# Altium PCB PCB_Ruler_v2.0.PcbDoc (part 1 of 3)
Units mm, origin at the board's own origin, x right, y up, seen from the top; angles counter-clockwise.
Board outline 210.01 x 40 mm, 2 copper layers (Top Layer, Bottom Layer); 1 components, 0 nets, 962 pads, 0 vias.
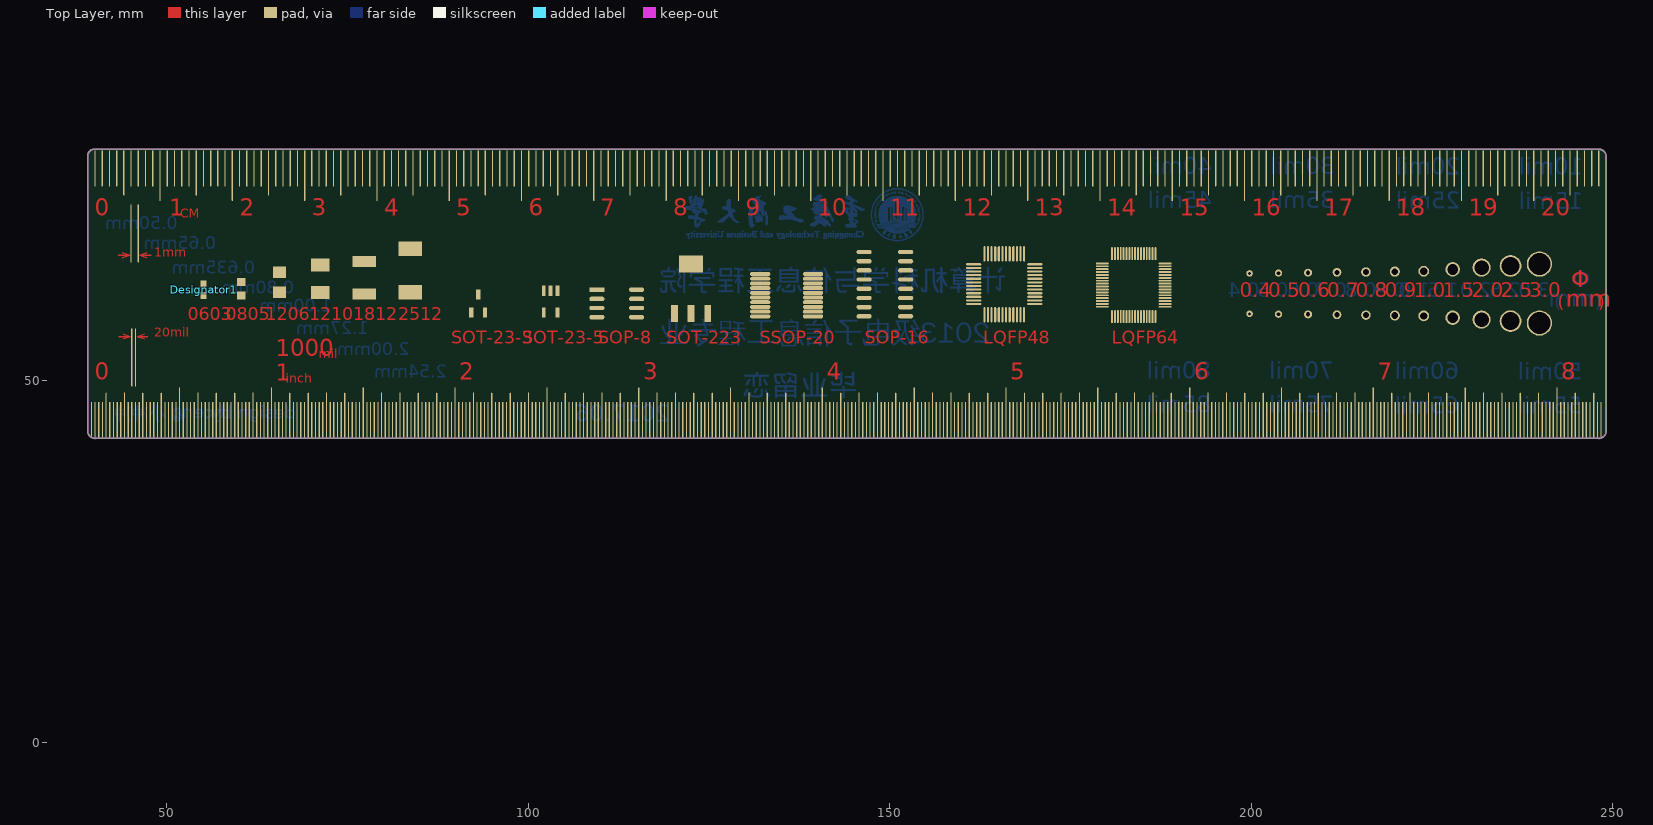
[diagram p0: Top Layer view]
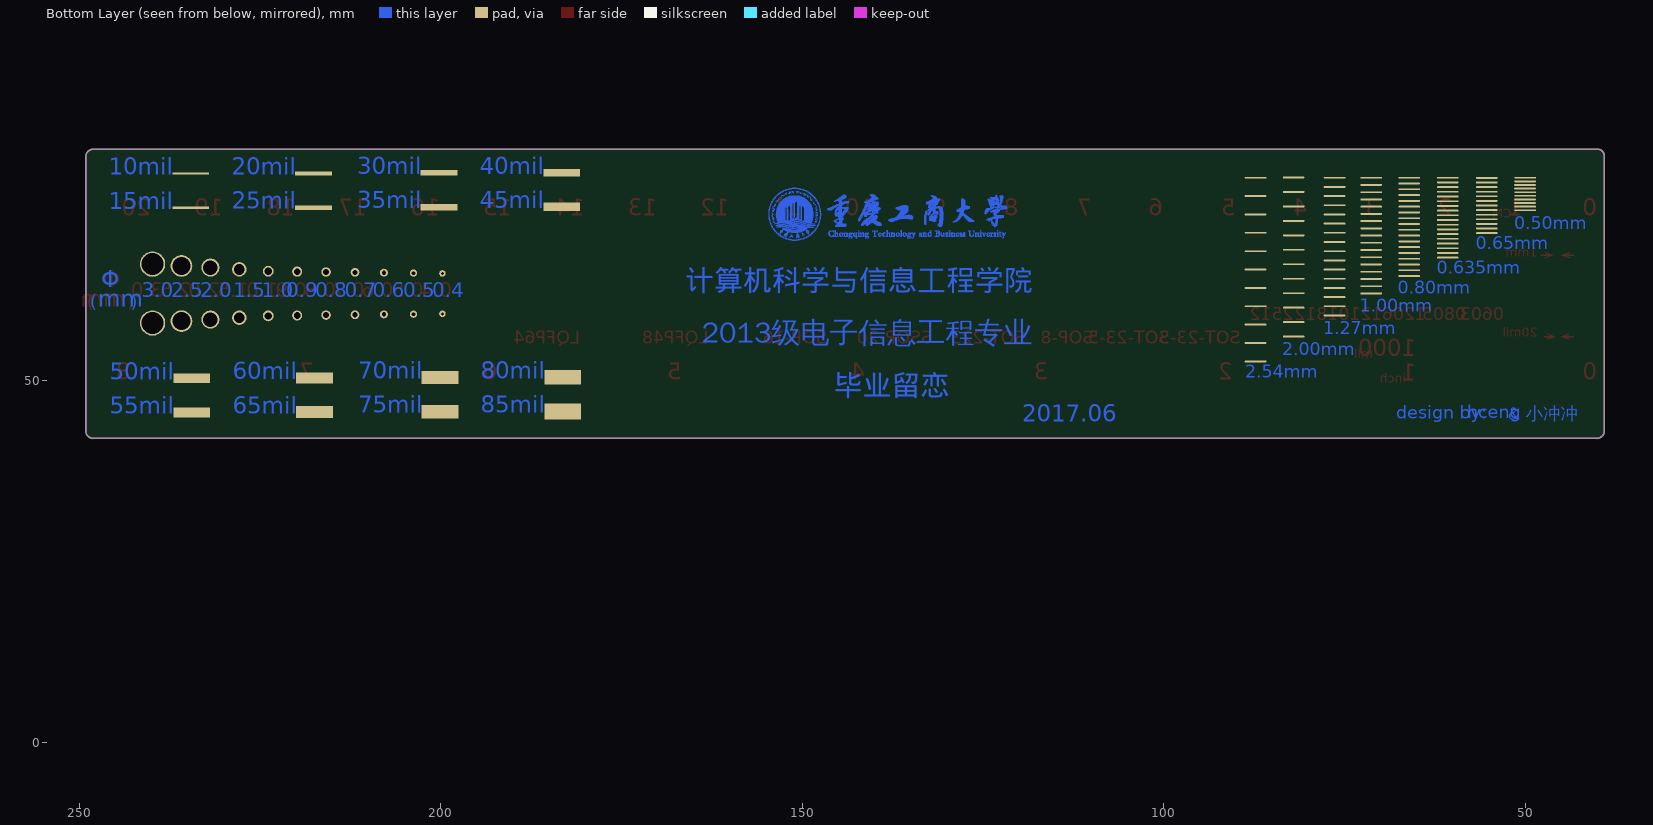
[diagram p1: Bottom Layer view, seen from below]

## Layer stack, top to bottom
Top Solder: solder mask 0.0102, Solder Resist, Dk 3.5
Top Layer: signal copper 0.0356
Dielectric 1: dielectric 0.32, FR-4, Dk 4.8
Bottom Layer: signal copper 0.0356
Bottom Solder: solder mask 0.0102, Solder Resist, Dk 3.5

## Board outline
40.095,42.049 cw(c40.095,43.049) 39.095,43.049 39.095,81.109 cw(c40.021,81.109) 40.021,82.035 40.021,82.042 248.063,82.042 cw(c248.063,80.996) 249.109,80.996 249.1,80.996 249.1,43.03 cw(c248.115,43.03) 248.115,42.045 248.115,42.055

## Design rules (kind name [scope] priority, off if disabled: settings)
Clearance [All] p1: gap=0.254 ignorepadtopadclearanceinfootprint=FALSE except(0: Arc-Hole Track-Hole SMDPad-Hole THPad-Hole Via-Hole Fill-Hole Poly-Hole Region-Hole Text-Hole)
PolygonConnect [All] p1: connectstyle=Relief reliefconductorwidth=0.254 reliefentries=4 polygonreliefangle="90 Angle" airgapwidth=0.254
RoutingVias [All] p1: holewidth=0.711 width=1.27 viastyle="Through Hole" minholewidth=0.711 minwidth=1.27 maxholewidth=0.711 maxwidth=1.27
SolderMaskExpansion [All] p1: expansion=0.102
Width [All] p1: maxlimit=0.254 minlimit=0.254 preferedwidth=0.254
30 further rules are at their usual default settings.

## Components (designator, comment, footprint, x,y, rotation, side; value= is the part's Value field where it differs from the comment)
Designator1 "Comment" 0603R 55.118,62.611 r90 top

## Footprints (in the part's own frame and the unit in brackets; to place one, negate y for a bottom-side part, rotate by r counter-clockwise, add the part's x,y. Pads: shape width x height; smd on the part's side, far side on the other; paste and mask are expansions set on the pad)
0603R [mm]
  rect 0.965x0.8 smd: 1(-0.8,0) 2(0.8,0)
  body extent -0.85,-0.4 0.85,0.4, height 0.56

## Free pads (board coordinates)
  oval 3x10 on Keep-Out: 1(42.048,61.616)
  oval 3x0.254 smd far side: 1(50.056,73.595) 1(55.35,70.445) 1(60.755,67.045) 1(66.089,64.495) 1(71.347,62.095) 1(76.407,59.045) 1(82.067,56.124) 1(87.329,52.695) 2(50.056,74.095) 2(55.35,71.08) 2(60.755,67.695) 2(66.089,65.295) 2(71.347,63.095) 2(76.407,60.315) 2(82.067,58.124) 2(87.329,55.235) 3(50.056,74.595) 3(55.35,71.715) 3(60.755,68.345) 3(66.089,66.095) 3(71.347,64.095) 3(76.407,61.585) 3(82.067,60.124) 3(87.329,57.775) 4(50.056,75.095) 4(55.35,72.35) 4(60.755,68.995) 4(66.089,66.895) 4(71.347,65.095) 4(76.407,62.855) 4(82.067,62.124) 4(87.329,60.315) 5(50.056,75.595) 5(55.35,72.985) 5(60.755,69.645) 5(66.089,67.695) 5(71.347,66.095) 5(76.407,64.125) 5(82.067,64.124) 5(87.329,62.855) 6(50.056,76.095) 6(55.35,73.62) 6(60.755,70.295) 6(66.089,68.495) 6(71.347,67.095) 6(76.407,65.395) 6(82.067,66.124) 6(87.329,65.395) 7(50.056,76.595) 7(55.35,74.255) 7(60.755,70.945) 7(66.089,69.295) 7(71.347,68.095) 7(76.407,66.665) 7(82.067,68.124) 7(87.329,67.935) 8(50.056,77.095) 8(55.35,74.89) 8(60.755,71.595) 8(66.089,70.095) 8(71.347,69.095) 8(76.407,67.935) 8(82.067,70.124) 8(87.329,70.475) 9(50.056,77.595) 9(55.35,75.525) 9(60.755,72.245) 9(66.089,70.895) 9(71.347,70.095) 9(76.407,69.205) 9(82.067,72.124) 9(87.329,73.015) 10(55.35,76.16) 10(60.755,72.895) 10(66.089,71.695) 10(71.347,71.095) 10(76.407,70.475) 10(82.067,74.124) 10(87.329,75.555) 11(55.35,76.795) 11(60.755,73.545) 11(66.089,72.495) 11(71.347,72.095) 11(76.407,71.745) 11(82.067,76.124) 11(87.329,78.095) 12(55.35,77.43) 12(60.755,74.195) 12(66.089,73.295) 12(71.347,73.095) 12(76.407,73.015) 12(82.067,78.124) 13(50.056,78.095) 13(55.35,78.065) 13(60.755,74.845) 13(66.089,74.095) 13(71.347,74.095) 13(76.407,74.285) 14(60.755,75.495) 14(66.089,74.895) 14(71.347,75.095) 14(76.407,75.555) 15(60.755,76.145) 15(66.089,75.695) 15(71.347,76.095) 15(76.407,76.825) 16(60.755,76.795) 16(66.089,76.495) 16(71.347,77.095) 16(76.407,78.095) 17(60.755,77.445) 17(66.089,77.295) 17(71.347,78.095) 18(60.755,78.095) 18(66.089,78.095)
  rect 1.2x1.14 smd: 1(60.325,61.788) 2(60.325,63.688)
  rect 1.8x1.6 smd: 1(65.659,62.227) 2(65.659,65.027)
  rect 2.54x1.778 smd: 1(71.247,62.23) 2(71.247,66.04)
  rect 3.2x1.5 smd: 1(77.343,62.012) 2(77.343,66.512)
  rect 3.23x2 smd: 1(83.693,62.278) 2(83.693,68.278)
  rect 0.6x1.4 smd: 1(92.141,59.436) 2(94.041,59.436) 3(93.091,61.95)
  rect 0.55x1.4 smd: 1(104.074,62.46) 2(103.124,62.46) 3(102.174,62.46) 4(102.174,59.46) 5(104.074,59.46)
  rect 2.1x0.6 smd: 1(109.518,62.611)
  rect 0.95x2.3 smd: 1(120.255,59.309) 2(122.555,59.309) 3(124.855,59.309)
  oval 2.8x0.55 smd: 1(132.113,64.774) 2(132.113,64.124) 3(132.113,63.474) 4(132.113,62.824) 5(132.113,62.174) 6(132.113,61.524) 7(132.113,60.874) 8(132.113,60.224) 9(132.113,59.574) 10(132.113,58.924) 11(139.413,58.924) 12(139.413,59.574) 13(139.413,60.224) 14(139.413,60.874) 15(139.413,61.524) 16(139.413,62.174) 17(139.413,62.824) 18(139.413,63.474) 19(139.413,64.124) 20(139.413,64.774)
  oval 100x0.2 on Drill Drawing: 1(141.971,45.436) 8(141.971,45.639)
  oval 2.1x0.6 smd: 1(146.477,67.818) 2(109.518,61.341) 2(146.477,66.548) 3(109.518,60.071) 3(146.477,65.278) 4(109.518,58.801) 4(146.477,64.008) 5(115.018,58.801) 5(146.477,62.738) 6(115.018,60.071) 6(146.477,61.468) 7(115.018,61.341) 7(146.477,60.198) 8(115.018,62.611) 8(146.477,58.928) 9(152.227,58.928) 10(152.227,60.198) 11(152.227,61.468) 12(152.227,62.738) 13(152.227,64.008) 14(152.227,65.278) 15(152.227,66.548) 16(152.227,67.818)
  oval 0.3x2.1 smd: 1(163.112,59.146) 2(163.612,59.146) 3(164.112,59.146) 4(164.612,59.146) 5(165.112,59.146) 6(165.612,59.146) 7(166.112,59.146) 8(166.612,59.146) 9(167.112,59.146) 10(167.612,59.146) 11(168.112,59.146) 12(168.612,59.146) 25(168.612,67.575) 26(168.112,67.575) 27(167.612,67.575) 28(167.112,67.575) 29(166.612,67.575) 30(166.112,67.575) 31(165.612,67.575) 32(165.112,67.575) 33(164.612,67.575) 34(164.112,67.575) 35(163.612,67.575) 36(163.112,67.575)
  oval 0.26x1.8 smd: 1(180.769,58.894) 2(181.169,58.894) 3(181.569,58.894) 4(181.969,58.894) 5(182.369,58.894) 6(182.769,58.894) 7(183.169,58.894) 8(183.569,58.894) 9(183.969,58.894) 10(184.369,58.894) 11(184.769,58.894) 12(185.169,58.894) 13(185.569,58.894) 14(185.969,58.894) 15(186.369,58.894) 16(186.769,58.894) 33(186.769,67.598) 34(186.369,67.598) 35(185.969,67.598) 36(185.569,67.598) 37(185.169,67.598) 38(184.769,67.598) 39(184.369,67.598) 40(183.969,67.598) 41(183.569,67.598) 42(183.169,67.598) 43(182.769,67.598) 44(182.369,67.598) 45(181.969,67.598) 46(181.569,67.598) 47(181.169,67.598) 48(180.769,67.598)
  rect 3.3x2.3 smd: 4(122.555,66.167)
  oval 0.175x5 smd: 8(40.1,79.385) 8(45.1,79.385) 8(50.1,79.385) 8(55.1,79.385) 8(60.1,79.385) 8(65.1,79.385) 8(70.1,79.385) 8(75.1,79.385) 8(80.1,79.385) 8(85.1,79.385) 8(90.1,79.385) 8(95.1,79.385) 8(100.1,79.385) 8(105.1,79.385) 8(110.1,79.385) 8(115.1,79.385) 8(120.1,79.385) 8(125.1,79.385) 8(130.1,79.385) 8(135.1,79.385) 8(140.1,79.385) 8(145.1,79.385) 8(150.1,79.385) 8(155.1,79.385) 8(160.1,79.385) 8(165.1,79.385) 8(170.1,79.385) 8(175.1,79.385) 8(180.1,79.385) 8(185.1,79.385) 8(190.1,79.385) 8(195.1,79.385) 8(200.1,79.385) 8(205.1,79.385) 8(210.1,79.385) 8(215.1,79.385) 8(220.1,79.385) 8(225.1,79.385) 8(230.1,79.385) 8(235.1,79.385) 8(240.1,79.385) 8(245.1,79.385) 9(41.1,79.385) 9(46.1,79.385) 9(51.1,79.385) 9(56.1,79.385) 9(61.1,79.385) 9(66.1,79.385) 9(71.1,79.385) 9(76.1,79.385) 9(81.1,79.385) 9(86.1,79.385) 9(91.1,79.385) 9(96.1,79.385) 9(101.1,79.385) 9(106.1,79.385) 9(111.1,79.385) 9(116.1,79.385) 9(121.1,79.385) 9(126.1,79.385) 9(131.1,79.385) 9(136.1,79.385) 9(141.1,79.385) 9(146.1,79.385) 9(151.1,79.385) 9(156.1,79.385) 9(161.1,79.385) 9(166.1,79.385) 9(171.1,79.385) 9(176.1,79.385) 9(181.1,79.385) 9(186.1,79.385) 9(191.1,79.385) 9(196.1,79.385) 9(201.1,79.385) 9(206.1,79.385) 9(211.1,79.385) 9(216.1,79.385) 9(221.1,79.385) 9(226.1,79.385) 9(231.1,79.385) 9(236.1,79.385) 9(241.1,79.385) 9(246.1,79.385) 10(42.1,79.385) 10(47.1,79.385) 10(52.1,79.385) 10(57.1,79.385) 10(62.1,79.385) 10(67.1,79.385) 10(72.1,79.385) 10(77.1,79.385) 10(82.1,79.385) 10(87.1,79.385) 10(92.1,79.385) 10(97.1,79.385) 10(102.1,79.385) 10(107.1,79.385) 10(112.1,79.385) 10(117.1,79.385) 10(122.1,79.385) 10(127.1,79.385) 10(132.1,79.385) 10(137.1,79.385) 10(142.1,79.385) 10(147.1,79.385) 10(152.1,79.385) 10(157.1,79.385) 10(162.1,79.385) 10(167.1,79.385) 10(172.1,79.385) 10(177.1,79.385) 10(182.1,79.385) 10(187.1,79.385) 10(192.1,79.385) 10(197.1,79.385) 10(202.1,79.385) 10(207.1,79.385) 10(212.1,79.385) 10(217.1,79.385) 10(222.1,79.385) 10(227.1,79.385) 10(232.1,79.385) 10(237.1,79.385) 10(242.1,79.385) 10(247.1,79.385) 11(43.1,79.385) 11(48.1,79.385) 11(53.1,79.385) 11(58.1,79.385) 11(63.1,79.385) 11(68.1,79.385) 11(73.1,79.385) 11(78.1,79.385) 11(83.1,79.385) 11(88.1,79.385) 11(93.1,79.385) 11(98.1,79.385) 11(103.1,79.385) 11(108.1,79.385) 11(113.1,79.385) 11(118.1,79.385) 11(123.1,79.385) 11(128.1,79.385) 11(133.1,79.385) 11(138.1,79.385) 11(143.1,79.385) 11(148.1,79.385) 11(153.1,79.385) 11(158.1,79.385) 11(163.1,79.385) 11(168.1,79.385) 11(173.1,79.385) 11(178.1,79.385) 11(183.1,79.385) 11(188.1,79.385) 11(193.1,79.385) 11(198.1,79.385) 11(203.1,79.385) 11(208.1,79.385) 11(213.1,79.385) 11(218.1,79.385) 11(223.1,79.385) 11(228.1,79.385) 11(233.1,79.385) 11(238.1,79.385) 11(243.1,79.385) 11(248.1,79.385) 22(41.138,44.608) 22(43.678,44.608) 22(46.218,44.608) 22(48.758,44.608) 22(51.298,44.608) 22(53.838,44.608) 22(56.378,44.608) 22(58.918,44.608) 22(61.458,44.608) 22(63.998,44.608) 22(66.538,44.608) 22(69.078,44.608) 22(71.618,44.608) 22(74.158,44.608) 22(76.698,44.608) 22(79.238,44.608) 22(81.778,44.608) 22(84.318,44.608) 22(86.858,44.608) 22(89.398,44.608) 22(91.938,44.608) 22(94.478,44.608) 22(97.018,44.608) 22(99.558,44.608) 22(102.098,44.608) 22(104.638,44.608) 22(107.178,44.608) 22(109.718,44.608) 22(112.258,44.608) 22(114.798,44.608) 22(117.338,44.608) 22(119.878,44.608) 22(122.418,44.608) 22(124.958,44.608) 22(127.498,44.608) 22(130.038,44.608) 22(132.578,44.608) 22(135.118,44.608) 22(137.658,44.608) 22(140.198,44.608) 22(142.738,44.608) 22(145.278,44.608) 22(147.818,44.608) 22(150.358,44.608) 22(152.898,44.608) 22(155.438,44.608) 22(157.978,44.608) 22(160.518,44.608) 22(163.058,44.608) 22(165.598,44.608) 22(168.138,44.608) 22(170.678,44.608) 22(173.218,44.608) 22(175.758,44.608) 22(178.298,44.608) 22(180.838,44.608) 22(183.378,44.608) 22(185.918,44.608) 22(188.458,44.608) 22(190.998,44.608) 22(193.538,44.608) 22(196.078,44.608) 22(198.618,44.608) 22(201.158,44.608) 22(203.698,44.608) 22(206.238,44.608) 22(208.778,44.608) 22(211.318,44.608) 22(213.858,44.608) 22(216.398,44.608) 22(218.938,44.608) 22(221.478,44.608) 22(224.018,44.608) 22(226.558,44.608) 22(229.098,44.608) 22(231.638,44.608) 22(234.178,44.608) 22(236.718,44.608) 22(239.258,44.608) 22(241.798,44.608) 22(244.338,44.608) 22(246.878,44.608) 23(40.63,44.608) 23(43.17,44.608) 23(45.71,44.608) 23(48.25,44.608) 23(50.79,44.608) 23(53.33,44.608) 23(55.87,44.608) 23(58.41,44.608) 23(60.95,44.608) 23(63.49,44.608) 23(66.03,44.608) 23(68.57,44.608) 23(71.11,44.608) 23(73.65,44.608) 23(76.19,44.608) 23(78.73,44.608) 23(81.27,44.608) 23(83.81,44.608) 23(86.35,44.608) 23(88.89,44.608) 23(91.43,44.608) 23(93.97,44.608) 23(96.51,44.608) 23(99.05,44.608) 23(101.59,44.608) 23(104.13,44.608) 23(106.67,44.608) 23(109.21,44.608) 23(111.75,44.608) 23(114.29,44.608) 23(116.83,44.608) 23(119.37,44.608) 23(121.91,44.608) 23(124.45,44.608) 23(126.99,44.608) 23(129.53,44.608) 23(132.07,44.608) 23(134.61,44.608) 23(137.15,44.608) 23(139.69,44.608) 23(142.23,44.608) 23(144.77,44.608) 23(147.31,44.608) 23(149.85,44.608) 23(152.39,44.608) 23(154.93,44.608) 23(157.47,44.608) 23(160.01,44.608) 23(162.55,44.608) 23(165.09,44.608) 23(167.63,44.608) 23(170.17,44.608) 23(172.71,44.608) 23(175.25,44.608) 23(177.79,44.608) 23(180.33,44.608) 23(182.87,44.608) 23(185.41,44.608) 23(187.95,44.608) 23(190.49,44.608) 23(193.03,44.608) 23(195.57,44.608) 23(198.11,44.608) 23(200.65,44.608) 23(203.19,44.608) 23(205.73,44.608) 23(208.27,44.608) 23(210.81,44.608) 23(213.35,44.608) 23(215.89,44.608) 23(218.43,44.608) 23(220.97,44.608) 23(223.51,44.608) 23(226.05,44.608) 23(228.59,44.608) 23(231.13,44.608) 23(233.67,44.608) 23(236.21,44.608) 23(238.75,44.608) 23(241.29,44.608) 23(243.83,44.608) 23(246.37,44.608) 24(40.122,44.608) 24(42.662,44.608) 24(45.202,44.608) 24(47.742,44.608) 24(50.282,44.608) 24(52.822,44.608) 24(55.362,44.608) 24(57.902,44.608) 24(60.442,44.608) 24(62.982,44.608) 24(65.522,44.608) 24(68.062,44.608) 24(70.602,44.608) 24(73.142,44.608) 24(75.682,44.608) 24(78.222,44.608) 24(80.762,44.608) 24(83.302,44.608) 24(85.842,44.608) 24(88.382,44.608) 24(90.922,44.608) 24(93.462,44.608) 24(96.002,44.608) 24(98.542,44.608) 24(101.082,44.608) 24(103.622,44.608) 24(106.162,44.608) 24(108.702,44.608) 24(111.242,44.608) 24(113.782,44.608) 24(116.322,44.608) 24(118.862,44.608) 24(121.402,44.608) 24(123.942,44.608) 24(126.482,44.608) 24(129.022,44.608) 24(131.562,44.608) 24(134.102,44.608) 24(136.642,44.608) 24(139.182,44.608) 24(141.722,44.608) 24(144.262,44.608) 24(146.802,44.608) 24(149.342,44.608) 24(151.882,44.608) 24(154.422,44.608) 24(156.962,44.608) 24(159.502,44.608) 24(162.042,44.608) 24(164.582,44.608) 24(167.122,44.608) 24(169.662,44.608) 24(172.202,44.608) 24(174.742,44.608) 24(177.282,44.608) 24(179.822,44.608) 24(182.362,44.608) 24(184.902,44.608) 24(187.442,44.608) 24(189.982,44.608) 24(192.522,44.608) 24(195.062,44.608) 24(197.602,44.608) 24(200.142,44.608) 24(202.682,44.608) 24(205.222,44.608) 24(207.762,44.608) 24(210.302,44.608) 24(212.842,44.608) 24(215.382,44.608) 24(217.922,44.608) 24(220.462,44.608) 24(223.002,44.608) 24(225.542,44.608) 24(228.082,44.608) 24(230.622,44.608) 24(233.162,44.608) 24(235.702,44.608) 24(238.242,44.608) 24(240.782,44.608) 24(243.322,44.608) 24(245.862,44.608) 24(248.402,44.608) 25(39.614,44.608) 25(42.154,44.608) 25(44.694,44.608) 25(47.234,44.608) 25(49.774,44.608) 25(52.314,44.608) 25(54.854,44.608) 25(57.394,44.608) 25(59.934,44.608) 25(62.474,44.608) 25(65.014,44.608) 25(67.554,44.608) 25(70.094,44.608) 25(72.634,44.608) 25(75.174,44.608) 25(77.714,44.608) 25(80.254,44.608) 25(82.794,44.608) 25(85.334,44.608) 25(87.874,44.608) 25(90.414,44.608) 25(92.954,44.608) 25(95.494,44.608) 25(98.034,44.608) 25(100.574,44.608) 25(103.114,44.608) 25(105.654,44.608) 25(108.194,44.608) 25(110.734,44.608) 25(113.274,44.608) 25(115.814,44.608) 25(118.354,44.608) 25(120.894,44.608) 25(123.434,44.608) 25(125.974,44.608) 25(128.514,44.608) 25(131.054,44.608) 25(133.594,44.608) 25(136.134,44.608) 25(138.674,44.608) 25(141.214,44.608) 25(143.754,44.608) 25(146.294,44.608) 25(148.834,44.608) 25(151.374,44.608) 25(153.914,44.608) 25(156.454,44.608) 25(158.994,44.608) 25(161.534,44.608) 25(164.074,44.608) 25(166.614,44.608) 25(169.154,44.608) 25(171.694,44.608) 25(174.234,44.608) 25(176.774,44.608) 25(179.314,44.608) 25(181.854,44.608) 25(184.394,44.608) 25(186.934,44.608) 25(189.474,44.608) 25(192.014,44.608) 25(194.554,44.608) 25(197.094,44.608) 25(199.634,44.608) 25(202.174,44.608) 25(204.714,44.608) 25(207.254,44.608) 25(209.794,44.608) 25(212.334,44.608) 25(214.874,44.608) 25(217.414,44.608) 25(219.954,44.608) 25(222.494,44.608) 25(225.034,44.608) 25(227.574,44.608) 25(230.114,44.608) 25(232.654,44.608) 25(235.194,44.608) 25(237.734,44.608) 25(240.274,44.608) 25(242.814,44.608) 25(245.354,44.608) 25(247.894,44.608)
  oval 100x0.2 on Drill Drawing rot 1: 8(141.971,45.436)
  oval 0.175x6.25 smd: 12(44.1,78.76) 12(54.1,78.76) 12(64.1,78.76) 12(74.1,78.76) 12(84.1,78.76) 12(94.1,78.76) 12(104.1,78.76) 12(114.1,78.76) 12(124.1,78.76) 12(134.1,78.76) 12(144.1,78.76) 12(154.1,78.76) 12(164.1,78.76) 12(174.1,78.76) 12(184.1,78.76) 12(194.1,78.76) 12(204.1,78.76) 12(214.1,78.76) 12(224.1,78.76) 12(234.1,78.76) 12(244.1,78.76) 26(41.646,45.233) 26(44.186,45.233) 26(46.726,45.233) 26(49.266,45.233) 26(54.346,45.233) 26(56.886,45.233) 26(59.426,45.233) 26(61.966,45.233) 26(67.046,45.233) 26(69.586,45.233) 26(72.126,45.233) 26(74.666,45.233) 26(79.746,45.233) 26(82.286,45.233) 26(84.826,45.233) 26(87.366,45.233) 26(92.446,45.233) 26(94.986,45.233) 26(97.526,45.233) 26(100.066,45.233) 26(105.146,45.233) 26(107.686,45.233) 26(110.226,45.233) 26(112.766,45.233) 26(117.846,45.233) 26(120.386,45.233) 26(122.926,45.233) 26(125.466,45.233) 26(130.546,45.233) 26(133.086,45.233) 26(135.626,45.233) 26(138.166,45.233) 26(143.246,45.233) 26(145.786,45.233) 26(148.326,45.233) 26(150.866,45.233) 26(155.946,45.233) 26(158.486,45.233) 26(161.026,45.233) 26(163.566,45.233) 26(168.646,45.233) 26(171.186,45.233) 26(173.726,45.233) 26(176.266,45.233) 26(181.346,45.233) 26(183.886,45.233) 26(186.426,45.233) 26(188.966,45.233) 26(194.046,45.233) 26(196.586,45.233) 26(199.126,45.233) 26(201.666,45.233) 26(206.746,45.233) 26(209.286,45.233) 26(211.826,45.233) 26(214.366,45.233) 26(219.446,45.233) 26(221.986,45.233) 26(224.526,45.233) 26(227.066,45.233) 26(232.146,45.233) 26(234.686,45.233) 26(237.226,45.233) 26(239.766,45.233) 26(244.846,45.233) 26(247.386,45.233)
  oval 0.175x7 smd: 12(49.1,78.385) 12(59.1,78.385) 12(69.1,78.385) 12(79.1,78.385) 12(89.1,78.385) 12(99.1,78.385) 12(109.1,78.385) 12(119.1,78.385) 12(129.1,78.385) 12(139.1,78.385) 12(149.1,78.385) 12(159.1,78.385) 12(169.1,78.385) 12(179.1,78.385) 12(189.1,78.385) 12(199.1,78.385) 12(209.1,78.385) 12(219.1,78.385) 12(229.1,78.385) 12(239.1,78.385) 26(51.806,45.608) 26(64.506,45.608) 26(77.206,45.608) 26(89.906,45.608) 26(102.606,45.608) 26(115.306,45.608) 26(128.006,45.608) 26(140.706,45.608) 26(153.406,45.608) 26(166.106,45.608) 26(178.806,45.608) 26(191.506,45.608) 26(204.206,45.608) 26(216.906,45.608) 26(229.606,45.608) 26(242.306,45.608)
  oval 2.1x0.3 smd: 13(170.089,60.623) 14(170.089,61.123) 15(170.089,61.623) 16(170.089,62.123) 17(170.089,62.623) 18(170.089,63.123) 19(170.089,63.623) 20(170.089,64.123) 21(170.089,64.623) 22(170.089,65.123) 23(170.089,65.623) 24(170.089,66.123) 37(161.635,66.123) 38(161.635,65.623) 39(161.635,65.123) 40(161.635,64.623) 41(161.635,64.123) 42(161.635,63.623) 43(161.635,63.123) 44(161.635,62.623) 45(161.635,62.123) 46(161.635,61.623) 47(161.635,61.123) 48(161.635,60.623)
  oval 0.175x8 smd: 17(45.1,70.385) 18(46.1,70.385) 24(45.71,53.244) 25(45.202,53.244)
  oval 1.8x0.26 smd: 17(188.121,60.246) 18(188.121,60.646) 19(188.121,61.046) 20(188.121,61.446) 21(188.121,61.846) 22(188.121,62.246) 23(188.121,62.646) 24(188.121,63.046) 25(188.121,63.446) 26(188.121,63.846) 27(188.121,64.246) 28(188.121,64.646) 29(188.121,65.046) 30(188.121,65.446) 31(188.121,65.846) 32(188.121,66.246) 49(179.417,66.246) 50(179.417,65.846) 51(179.417,65.446) 52(179.417,65.046) 53(179.417,64.646) 54(179.417,64.246) 55(179.417,63.846) 56(179.417,63.446) 57(179.417,63.046) 58(179.417,62.646) 59(179.417,62.246) 60(179.417,61.846) 61(179.417,61.446) 62(179.417,61.046) 63(179.417,60.646) 64(179.417,60.246)
  rect 5.08x2.159 smd far side: 29(183.145,45.766)
  rect 5.08x2.032 smd far side: 29(183.145,50.491)
  rect 5.08x1.143 smd far side: 29(183.272,74.062)
  rect 5.08x1.016 smd far side: 29(183.272,78.786)
  rect 5.08x1.905 smd far side: 29(200.137,45.741)
  rect 5.08x1.778 smd far side: 29(200.137,50.465)
  rect 5.08x0.889 smd far side: 29(200.264,74.037)
  rect 5.08x0.762 smd far side: 29(200.264,78.761)
  rect 5.08x1.651 smd far side: 29(217.485,45.665)
  rect 5.08x1.524 smd far side: 29(217.485,50.389)
  rect 5.08x0.635 smd far side: 29(217.612,73.96)
  rect 5.08x0.508 smd far side: 29(217.612,78.685)
  rect 5.08x1.397 smd far side: 29(234.478,45.639)
  rect 5.08x1.27 smd far side: 29(234.478,50.364)
  rect 5.08x0.381 smd far side: 29(234.605,73.935)
  rect 5.08x0.254 smd far side: 29(234.605,78.659)
  round 0.9 hole 0.4: ""(199.785,59.268) ""(199.785,64.856)
  round 1 hole 0.5: ""(203.785,59.217) ""(203.785,64.907)
  round 1.1 hole 0.6: ""(207.88,59.192) ""(207.88,64.958)
  round 1.2 hole 0.7: ""(211.88,59.141) ""(211.88,65.008)
  round 1.3 hole 0.8: ""(215.88,59.09) ""(215.88,65.059)
  round 1.4 hole 0.9: ""(219.88,59.039) ""(219.88,65.11)
  round 1.5 hole 1: ""(223.88,58.989) ""(223.88,65.161)
  round 2 hole 1.5: ""(227.88,58.735) ""(227.88,65.415)
  round 2.5 hole 2: ""(231.88,58.481) ""(231.88,65.669)
  round 3 hole 2.5: ""(235.88,58.252) ""(235.88,65.897)
  round 3.5 hole 3: ""(239.88,57.998) ""(239.88,66.151)

## Nets (pads, with @x,y where several pads share a name; then routed paths per layer and width w, separated by ;. In a path a pad name is that pad's centre, name@x,y a point inside that pad or via, vN(x,y) a via of type N, cw(c..) or ccw(c..) an arc to the next point about the centre after c; other vN are vias at no path point)
pads on no net: Designator1.1 Designator1.2
copper on no net: | length 1010.5
  Top Layer w0.175: 43.325,67.385 44.9,67.385 ; 43.427,56.13 44.978,56.13 ; 43.9,67.052 44.906,67.397 ; 43.9,67.718 44.909,67.394 ; 44.002,55.796 44.977,56.13 44.002,56.463 ; 45.957,56.13 47.383,56.13 ; 46.291,67.394 47.3,67.718 ; 46.91,55.796 45.947,56.126 46.91,56.463 ; 47.3,67.052 46.297,67.388 47.872,67.388